# Altium PCB PCB_v3.PcbDoc (part 5 of 7)
Units mil, origin at the board's own origin, x right, y up, seen from the top; angles counter-clockwise.
Board outline 17000 x 5250 mil, 4 copper layers (Top Side, Ground Layer, Power Layer, Bottom Side), stack 33.2 mil thick; 591 components, 525 nets, 2570 pads, 902 vias.
Unrouted connection lines stored in the file: 119.
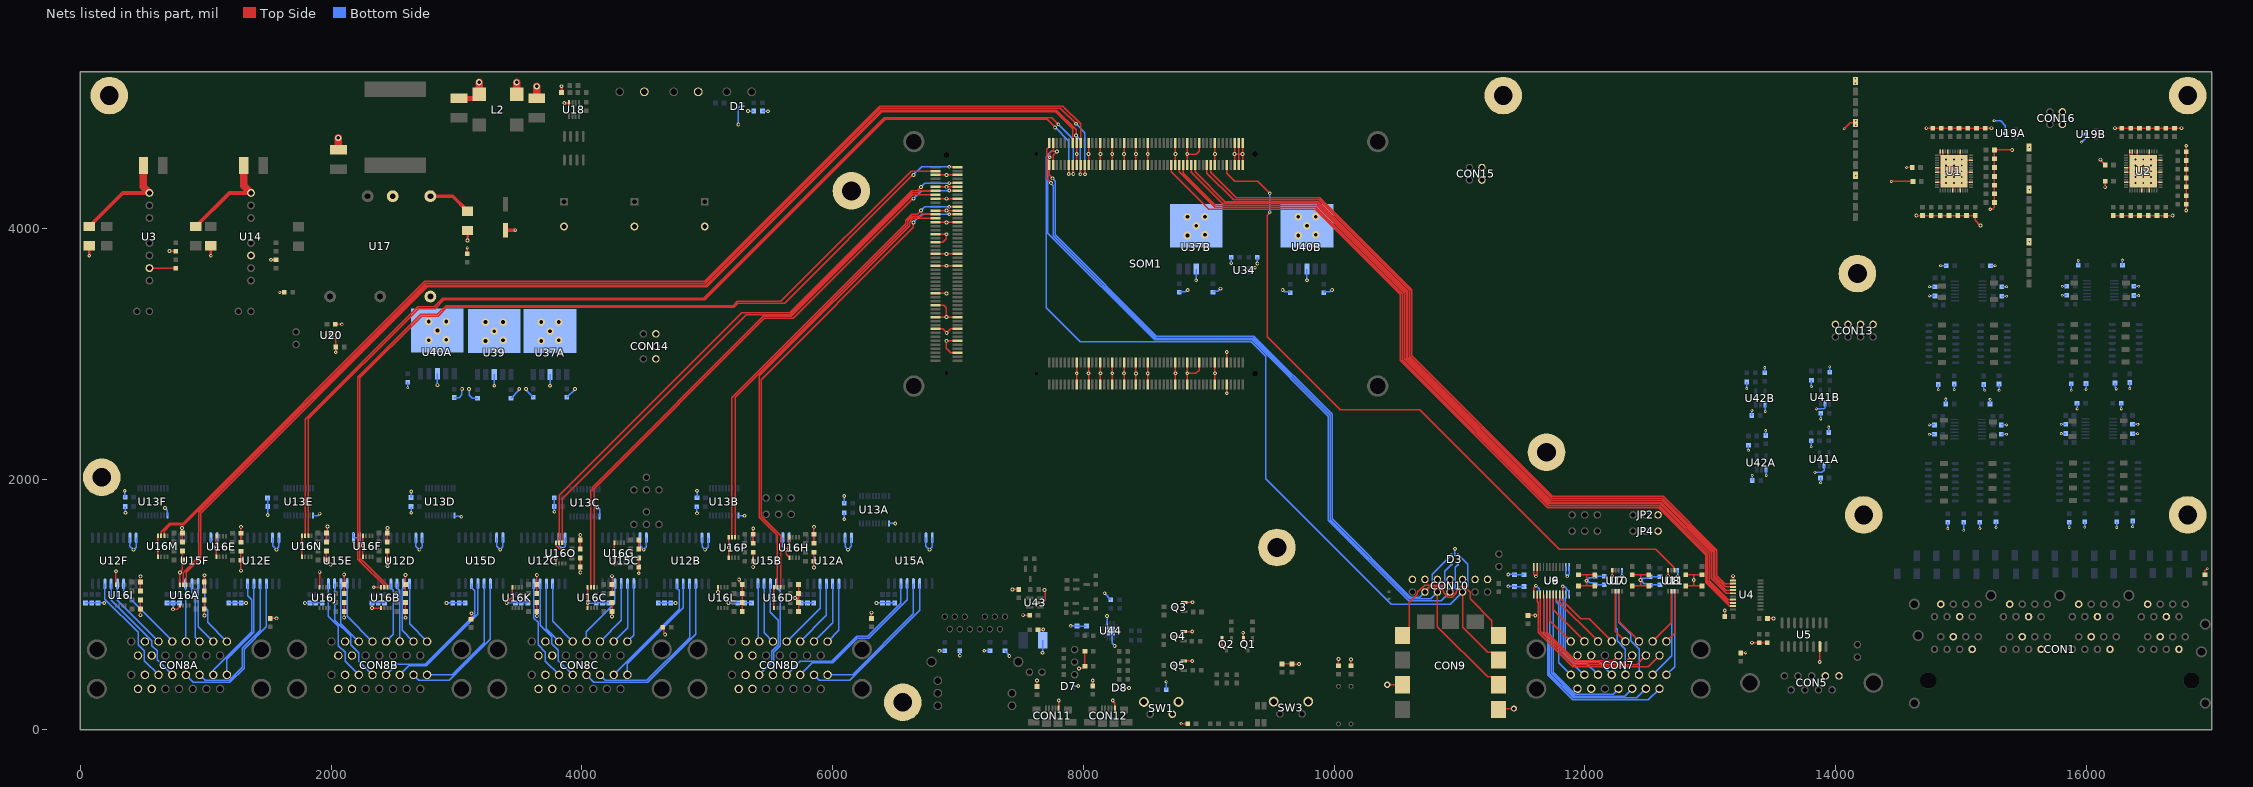
[diagram p7: the nets of this part, all layers, seen from the top]

## Via types
v1: diameter 30, hole 15, Top Side to Bottom Side, 586 vias
v2: diameter 22, hole 12, Top Side to Bottom Side, 248 vias
v3: diameter 25, hole 15, Top Side to Bottom Side, 30 vias
v4: diameter 60, hole 30, Top Side to Bottom Side, 29 vias
v5: diameter 50, hole 28, Top Side to Bottom Side, 7 vias
v6: diameter 40, hole 20, Top Side to Bottom Side, 2 vias

## Nets (pads, with @x,y where several pads share a name; then routed paths per layer and width w, separated by ;. In a path a pad name is that pad's centre, name@x,y a point inside that pad or via, vN(x,y) a via of type N, cw(c..) or ccw(c..) an arc to the next point about the centre after c; other vN are vias at no path point) (continued)
GND: C1.2 C2.2 C3.2 C4.2 C5.2 C6.2 C7.2 C8.2 C9.2 C10.2 C11.2 C12.2 C13.2 C14.2 C15.2 C16.2 C17.2 C18.2 C19.2 C20.2 C21.2 C22.2 C23.2 C24.2 C25.2 C26.2 C27.2 C28.2 C29.2 C30.2 C31.2 C32.2 C33.2 C34.2 C35.2 C36.2 C37.2 C38.2 C39.2 C40.2 C41.2 C42.2 C43.2 C44.2 C45.2 C46.2 C47.1 C48.1 C50.1 C51.1 C52.1 C53.2 C54.2 C55.2 C56.2 C57.1 C58.1 C59.1 C60.1 C61.2 C62.2 C63.2 C64.2 C65.2 C66.2 C67.2 C68.2 C69.2 C70.2 C71.2 C72.2 C73.2 C74.2 C75.2 C76.2 C77.2 C78.2 C79.2 C80.2 C81.2 C82.2 C83.2 C84.2 C85.2 C86.2 C88.1 C89A.1 C89B.1 C89C.1 C89D.1 C89E.1 C89F.1 C89G.1 C89H.1 C89I.1 C89J.1 C89K.1 C89L.1 C89M.1 C89N.1 C89O.1 C89P.1 C90A.2 C90B.2 C90C.2 C90D.2 C90E.2 C90F.2 C90G.2 C90H.2 C90I.2 C90J.2 C90K.2 C90L.2 C90M.2 C90N.2 C90O.2 C90P.2 C91A.1 C91B.1 C91C.1 C91D.1 C91E.1 C91F.1 C92A.2 C92B.2 C92C.2 C92D.2 C92E.2 C92F.2 C93A.1 C93B.1 C93C.1 C93D.1 C93E.1 C93F.1 C93G.1 C93H.1 C93I.1 C93J.1 C93K.1 C93L.1 C93M.1 C93N.1 C93O.1 C93P.1 C94A.1 C94B.1 C94C.1 C94D.1 C94E.1 C94F.1 C94G.1 C94H.1 C94I.1 C94J.1 C94K.1 C94L.1 C94M.1 C94N.1 C94O.1 C94P.1 C95A.2 C95B.2 C95C.2 C95D.2 C95E.2 C95F.2 C96A.2 C96B.2 C96C.2 C96D.2 C96E.2 C96F.2 C97A.2 C97B.2 C97C.2 C97D.2 C97E.2 C97F.2 C98A.2 C98B.2 C98C.2 C98D.2 C98E.2 C98F.2 C99A.2 C99B.2 C99C.2 C99D.2 C99E.2 C99F.2 C100A.2 C100B.2 C100C.2 C100D.2 C100E.2 C100F.2 C105.2 C109.2 C113.2 C115.1 C116.2 C157A.2 C157B.2 C158A.2 C158B.2 C161.2 C162.2 C163A.2 C163B.2 C164A.2 C164B.2 C165A.1 C165B.1 C166A.1 C166B.1 C167A.2 C167B.2 C168A.2 C168B.2 C169.1 C170.1 C171.1 C172.2 C173.2 C174.1 C175.1 C176.1 C179A.2 C179B.2 C179C.2 C179D.2 C180A.2 C180B.2 C180C.2 C180D.2 C181A.1 C181B.1 C181C.1 C181D.1 C182A.2 C182B.2 C182C.2 C182D.2 C183A.2 C183B.2 C183C.2 C183D.2 C184A.2 C184B.2 C184C.2 C184D.2 C185A.1 C185B.1 C185C.1 C185D.1 C186A.2 C186B.2 C186C.2 C186D.2 C187A.1 C187B.1 C187C.1 C187D.1 C188A.1 C188B.1 C188C.1 C188D.1 CON1.4A CON1.4B CON1.4C CON1.4D CON1.4E CON1.4F CON1.4G CON1.4H CON1.6A CON1.6B CON1.6C CON1.6D CON1.6E CON1.6F CON1.6G CON1.6H CON3.2 CON5.1 CON5.2 CON7.14A CON7.14B CON7.15A CON7.15B CON8A.7A CON8A.7B CON8A.14A CON8A.14B CON8A.15A CON8A.15B CON8B.7A CON8B.7B CON8B.14A CON8B.14B CON8B.15A CON8B.15B CON8C.7A CON8C.7B CON8C.14A CON8C.14B CON8C.15A CON8C.15B CON8D.7A CON8D.7B CON8D.14A CON8D.14B CON8D.15A CON8D.15B CON9.1 CON9.10 CON10.1 CON10.3 CON10.5 CON10.7 CON10.9 CON10.11 CON10.13 CON11.5 CON12.5 CON13.2 CON13.4 CON13.6 CON13.8 CON14.2 CON14.4 CON14.6 CON15.2 CON15.4 CON16.2 CON16.4 D1.2 D3.2 D7.2 D8.2 JP2.1 JP4.1 LED3.C MH1.1 MH2.1 MH3.1 MH4.1 MH5.1 MH6.1 MH7.1 MH8.1 MH9.1 MH10.1 MH11.1 Q1.2 Q2.2 Q3.2 Q4.2 Q5.2 R1.1 R3.1 R17.1 R18.1 R21.1 R22.1 R23.2 R24.1 R25.2 R26A.1 R26B.1 R26C.1 R26D.1 R30.1 R39A.1 R39B.1 R40A.2 R40B.2 R46.2 R53.2 SOM1.JX1-15 SOM1.JX1-16 SOM1.JX1-21 SOM1.JX1-22 SOM1.JX1-27 SOM1.JX1-28 SOM1.JX1-33 SOM1.JX1-34 SOM1.JX1-39 SOM1.JX1-40 SOM1.JX1-45 SOM1.JX1-46 SOM1.JX1-51 SOM1.JX1-52 SOM1.JX1-65 SOM1.JX1-66 SOM1.JX1-71 SOM1.JX1-72 SOM1.JX1-77 SOM1.JX1-85 SOM1.JX1-86 SOM1.JX1-95 SOM1.JX1-96 SOM1.JX1-97 SOM1.JX1-98 SOM1.JX1-99 SOM1.JX1-100 SOM1.JX2-15 SOM1.JX2-16 SOM1.JX2-21 SOM1.JX2-22 SOM1.JX2-27 SOM1.JX2-28 SOM1.JX2-33 SOM1.JX2-34 SOM1.JX2-39 SOM1.JX2-40 SOM1.JX2-45 SOM1.JX2-46 SOM1.JX2-51 SOM1.JX2-52 SOM1.JX2-65 SOM1.JX2-66 SOM1.JX2-71 SOM1.JX2-72 SOM1.JX2-77 SOM1.JX2-85 SOM1.JX2-86 SOM1.JX2-91 SOM1.JX2-92 SOM1.JX3-6 SOM1.JX3-12 SOM1.JX3-17 SOM1.JX3-18 SOM1.JX3-23 SOM1.JX3-24 SOM1.JX3-29 SOM1.JX3-35 SOM1.JX3-49 SOM1.JX3-50 SOM1.JX3-55 SOM1.JX3-56 SOM1.JX3-61 SOM1.JX3-65 SOM1.JX3-71 SOM1.JX3-72 SOM1.JX3-77 SOM1.JX3-78 SOM1.JX3-83 SOM1.JX3-84 SOM1.JX3-89 SOM1.JX3-90 SOM1.JX3-95 SOM1.JX3-96 SW1.2 SW1.SH SW3.SH TP38.1 TP39.1 TP40.1 TP41.1 TP42.1 TP43.1 U1.3 U1.7 U1.12 U1.18 U1.23 U1.25 U1.26 U1.32 U1.34 U1.38 U1.46 U1.49 U1.53 U2.3 U2.7 U2.12 U2.18 U2.23 U2.25 U2.26 U2.32 U2.34 U2.38 U2.46 U2.49 U2.53 U3.7 U4.11 U5.7 U6.11 U6.12 U6.13 U6.22 U7.4 U8.4 U9.11 U9.12 U9.13 U9.22 U10.4 U11.4 U12A.7 U12A.8 U12B.7 U12B.8 U12C.7 U12C.8 U12D.7 U12D.8 U12E.7 U12E.8 U12F.7 U12F.8 U13A.11 U13B.11 U13C.11 U13D.11 U13E.11 U13F.11 U14.6 U15A.7 U15A.8 U15B.7 U15B.8 U15C.7 U15C.8 U15D.7 U15D.8 U15E.7 U15E.8 U15F.7 U15F.8 U16A.4 U16A.5 U16B.4 U16B.5 U16C.4 U16C.5 U16D.4 U16D.5 U16E.4 U16E.5 U16F.4 U16F.5 U16G.4 U16G.5 U16H.4 U16H.5 U16I.4 U16J.4 U16K.4 U16L.4 U16M.4 U16M.5 U16N.4 U16N.5 U16O.4 U16O.5 U16P.4 U16P.5 U17.4 U19A.3 U19B.3 U20.5 U20.9 U34.2 U37A.3 U37A.6 U37B.3 U37B.6 U39.3 U39.6 U40A.3 U40A.6 U40B.3 U40B.6 U41A.2 U41B.2 U42A.1 U42B.1 U43.2 U44.3 U44.12 U44.21 | length 36710.1
  Top Side w10: U16I.4@283.23,1157.87 v1(283.23,1265.31) ; v1(478.46,915) C94I.1@478.46,1036.67 ; C89I.1@478.46,1108.33 v1(478.46,1225) ; U3.7@550,3683.81 C115.1@760,3683.81 ; U16M.5@618.23,1382.11 U16M.4@618.23,1547.87 ; v1(710,3820.97) 712.45,3818.53 R30.1@760.71,3818.53 ; v1(738.31,961.69) 740.22,963.61 770.5,963.61 793.23,986.34 U16A.5@793.23,992.11 ; U16A.4@793.23,1157.87 793.23,1257.71 813.46,1277.94 C94M.1@813.46,1426.67 ; v1(810,1610) 811.73,1608.27 811.73,1571.73 C93M.1@813.46,1570 C89M.1@813.46,1498.33 ; v1(988.46,912.85) C94A.1@988.46,1036.67 ; C89A.1@988.46,1108.33 v1(988.46,1233.46) ; U16E.5@1085,1380 U16E.4@1085,1545.77 ; v1(1280.24,1270.24) C94E.1@1280.24,1424.56 ; C89E.1@1280.24,1496.23 v1(1280.24,1619.76) ; R26A.1@1514.76,888.59 1516.18,890 1564,890 v1@1565,889 ; v1(1520,3750.74) C116.2@1560,3750.74 ; v2(1590,3490) C88.1@1626.54,3490 ; U16N.4@1765,1545.77 U16N.4@1767.11,1547.87 U16N.5@1767.11,1382.11 ; U16J.4@1908.23,1137.87 v1(1908.23,1258.23) ; C94N.1@1962.35,1426.67 C90N.2@1962.35,1355 1995.71,1321.64 v1(1995.71,1318.92) ; C89N.1@1962.35,1498.33 C93N.1@1962.35,1570 ; C93N.1@1970,1577.65 v1@1970,1615 ; C47.1@2033.46,3235 v1(2085,3235) ; v1(2036.54,3012.75) C48.1@2036.54,3055 2037.4,3055.87 U20.5@2037.4,3120.47 ; v1(2103.46,895.69) C94J.1@2103.46,1016.67 ; C89J.1@2103.46,1088.33 v1(2103.46,1240) ; U16F.5@2253.23,1382.11 U16F.4@2253.23,1547.87 ; v1(2325,972.11) U16B.5@2397.46,972.11 ; v1(2340,1137.87) U16B.4@2397.46,1137.87 ; C94F.1@2448.46,1426.67 C90F.2@2448.46,1355 2448.65,1354.82 v1(2448.65,1305) ; C89F.1@2448.46,1498.33 v1(2448.46,1611.54) ; v1(2592.7,895) C94B.1@2592.7,1016.67 ; C89B.1@2592.7,1088.33 v1(2592.7,1236.54) ; R3.1@3085,3798.59 v2(3085,3845) ; R26B.1@3115.03,883.46 3118.09,886.52 3118.09,928.09 v1(3120,930) ; v1(3400,1012.83) 3445.3,1058.13 U16K.4@3445.3,1137.87 ; v1(3640.53,907.88) C94K.1@3640.53,1016.67 ; C89K.1@3640.53,1088.33 v1(3640.53,1236.54) ; U16O.5@3792.24,1327.11 v1(3792.24,1367.76) ; U16O.4@3792.24,1492.87 3793.98,1491.14 3793.98,1469.75 3819.75,1443.98 3841.93,1443.98 v1(3843.84,1442.06) ; v1(3987.48,1255) C94O.1@3987.48,1371.67 ; C89O.1@3987.48,1443.33 v1(3987.48,1555) ; U16C.5@4045.38,972.11 4046.26,972.99 4046.26,1009.11 v1(4047.15,1010) 4047.15,1012.71 4045.38,1014.48 4045.38,1040.7 4038.5,1047.57 4038.5,1072.43 4045.38,1079.3 U16C.4@4045.38,1137.87 ; C93C.1@4240.31,1160.31 v1@4240.31,1226.23 ; v1(4240.61,903.89) C94C.1@4240.61,1016.67 ; C89C.1@4240.61,1088.33 C93C.1@4240.61,1160 ; U16G.5@4258.76,1327.11 U16G.4@4258.76,1492.87 ; v1(4454,1250) C94G.1@4454,1371.67 ; C93G.1@4454,1515 C89G.1@4454,1443.33 4457.82,1439.51 4491.39,1439.51 v1(4493.31,1437.6) ; R26C.1@4645,820 4653.7,811.3 4653.7,774.92 4664.38,764.24 v1(4664.38,761.54) ; v1(5084.91,1099.91) U16L.4@5084.91,1137.87 ; U16P.5@5171.41,1371.67 U16P.4@5171.41,1537.43 ; v1(5254.59,1200) 5256.5,1198.09 5256.5,1183.64 C93L.1@5280.14,1160 C90L.2@5280.14,945 ; v1(5366,1300) 5366.32,1300.32 5366.32,1344.24 C90P.2@5366.65,1344.56 C94P.1@5366.65,1416.23 ; C89P.1@5366.65,1487.89 v1(5366.65,1605.58) ; v1(5530,1052.4) 5531.61,1050.79 5531.61,973.72 U16D.5@5533.23,972.11 ; v1@5533.23,1050 5531.61,1051.61 5531.61,1136.26 U16D.4@5533.23,1137.87 ; U16H.5@5655.76,1371.67 5655.76,1377.43 5630.22,1402.98 5630.22,1435.69 v1(5628.31,1437.6) 5628.31,1440.3 5655.76,1467.76 U16H.4@5655.76,1537.43 ; v1(5700,1052.4) 5700.1,1052.5 5728.46,1052.5 ; C90D.2@5728.46,945 5728.46,1052.5 ; C93D.1@5728.46,1160 5728.46,1052.5 ; v1(5851,1296) C94H.1@5851,1416.23 ; C89H.1@5851,1487.89 C93H.1@5851,1559.56 v1(5851,1620) ; v1(6309.69,935) 6309.69,889.59 R26D.1@6310,889.28 ; SOM1.JX3-17@6821.69,3198.2 6879.81,3198.2 6910,3168.02 v1(6910,3166.7) 6941.5,3198.2 SOM1.JX3-18@6994.92,3198.2 ; SOM1.JX3-23@6821.69,3292.69 v1(6908.31,3292.69) ; SOM1.JX3-29@6821.69,3387.18 6888.02,3387.18 6908.31,3366.89 v1(6908.31,3292.69) ; SOM1.JX3-35@6821.69,3481.67 v1(6908.31,3481.66) ; SOM1.JX3-49@6821.69,3702.14 v1(6908.31,3702.14) SOM1.JX3-50@6994.92,3702.14 ; SOM1.JX3-55@6821.69,3796.63 v1(6908.31,3796.63) SOM1.JX3-56@6994.92,3796.62 ; SOM1.JX3-61@6821.69,3891.11 6880.55,3891.11 6908.31,3918.87 v1(6908.31,3954.11) SOM1.JX3-65@6821.69,3954.11 ; SOM1.JX3-71@6821.69,4048.59 v1(6908.31,4048.59) SOM1.JX3-72@6994.92,4048.59 ; SOM1.JX3-77@6821.69,4143.08 v1(6908.31,4143.08) SOM1.JX3-78@6994.92,4143.08 ; SOM1.JX3-83@6821.69,4237.57 v1(6908.31,4237.57) SOM1.JX3-84@6994.92,4237.57 ; SOM1.JX3-89@6821.69,4332.06 v1(6908.31,4332.06) SOM1.JX3-90@6994.92,4332.06 ; SOM1.JX3-95@6821.69,4426.55 v1(6908.31,4426.54) SOM1.JX3-96@6994.92,4426.54 ; SOM1.JX3-6@6994.92,3009.22 6941.86,3009.22 6908.31,3042.78 v1(6908.31,3103.71) SOM1.JX3-12@6994.92,3103.71 ; SOM1.JX3-24@6994.92,3292.69 v1(6908.31,3292.69) ; v1(7435,1120) 7483.46,1120 R24.1@7483.7,1120.24 ; v1(7520,915) C169.1@7571.54,915 ; R46.2@7630,346.5 v1(7630,395) ; C171.1@7638.46,800 v1(7680,800) ; U43.2@7657.32,1015 7675.04,1015 7695.87,1035.83 7695.87,1103.69 7689.97,1109.59 v1(7689.97,1115) ; CON11.5@7803.54,167.4 7804.39,168.25 v1(7804.39,234.15) ; SOM1.JX2-16@7947.13,2756.77 v1(7947.13,2845) SOM1.JX2-15@7947.13,2930 ; SOM1.JX1-16@7947.13,4506.77 v1(7947.13,4593.39) SOM1.JX1-15@7947.13,4680 ; v1(7965,490) 7967.87,492.87 7999.09,492.87 C173.2@8012.8,506.57 C172.2@8012.8,626.57 ; SOM1.JX2-22@8041.61,2756.77 v1(8041.61,2845) SOM1.JX2-21@8041.61,2930 ; SOM1.JX1-22@8041.61,4506.77 v1(8041.61,4593.39) SOM1.JX1-21@8041.61,4680 ; v1(8075,395) 8075,351.3 R53.2@8076.26,350.04 ; SOM1.JX2-28@8136.1,2756.77 v1(8136.1,2845) SOM1.JX2-27@8136.1,2930 ; SOM1.JX1-28@8136.1,4506.77 v1(8136.1,4595) SOM1.JX1-27@8136.1,4680 ; SOM1.JX2-34@8230.59,2756.77 v1(8230.59,2845) SOM1.JX2-33@8230.59,2930 ; SOM1.JX1-34@8230.59,4506.77 v1(8230.59,4593.39) SOM1.JX1-33@8230.59,4680 ; v1(8235,235) 8235,229.59 8250.91,213.68 CON12.5@8250.91,167.4 ; SOM1.JX2-40@8325.08,2756.77 v1(8325.08,2845) SOM1.JX2-39@8325.08,2930 ; SOM1.JX1-40@8325.08,4506.77 v1(8325.08,4593.39) SOM1.JX1-39@8325.08,4680 ; SOM1.JX2-46@8419.57,2756.77 v1(8419.57,2843.39) SOM1.JX2-45@8419.57,2930 ; SOM1.JX1-46@8419.57,4506.77 v1(8419.57,4593.39) SOM1.JX1-45@8419.57,4680 ; SOM1.JX2-52@8514.05,2756.77 v1(8514.06,2843.39) SOM1.JX2-51@8514.06,2930 ; SOM1.JX1-52@8514.05,4506.77 v1(8514.06,4593.39) SOM1.JX1-51@8514.06,4680 ; SOM1.JX2-66@8734.53,2756.77 v1(8734.53,2845) SOM1.JX2-65@8734.53,2930 ; SOM1.JX1-66@8734.53,4506.77 v1(8734.53,4593.38) SOM1.JX1-65@8734.53,4680 ; v2(8780,50) LED3.C@8832.69,50 ; Q5.2@8800.6,549.8 v1(8869.26,549.8) ; Q4.2@8800.6,783.22 8801.39,784.01 8868.47,784.01 v1(8869.26,784.8) ; Q3.2@8804.96,1017.2 8806.26,1018.5 v1(8870.98,1018.5) v1@8872.28,1019.8 ; SOM1.JX2-72@8829.01,2756.77 v1(8829.02,2845) ; SOM1.JX2-71@8829.02,2930 v1(8829.02,2845) ; SOM1.JX1-72@8829.01,4506.77 v1(8829.02,4593.39) ; SOM1.JX1-71@8829.02,4680 v1(8829.02,4593.39) ; SOM1.JX2-77@8923.5,2930 8923.5,2869.82 8898.69,2845 v1(8829.02,2845) ; SOM1.JX1-77@8923.5,4680 8923.5,4615.99 8900.9,4593.39 v1(8829.02,4593.39) ; SOM1.JX2-86@9049.49,2756.77 v1(9049.49,2845) SOM1.JX2-85@9049.49,2930 ; SOM1.JX1-86@9049.49,4506.77 v1(9049.49,4595) SOM1.JX1-85@9049.49,4680 ; Q2.2@9102.35,742.77 9106.34,738.78 Q2.2@9106.34,725 9105,723.66 v1(9105,665) ; v1(9143.97,2685) SOM1.JX2-92@9143.97,2756.77 ; SOM1.JX2-91@9143.98,2930 v1(9143.97,3015) ; SOM1.JX1-96@9206.97,4506.77 v1(9206.97,4593.38) ; SOM1.JX1-95@9206.97,4680 v1(9206.97,4593.38) ; SOM1.JX1-98@9238.46,4506.77 9238.46,4593.39 ; SOM1.JX1-97@9238.46,4680 9238.46,4593.39 ; SOM1.JX1-100@9269.96,4506.77 v1(9269.96,4593.39) ; SOM1.JX1-99@9269.96,4680 v1(9269.96,4593.39) ; v1(9275,775) 9275.67,774.33 9275.67,725.67 Q1.2@9276.34,725 ; R18.1@9585,526.06 C52.1@9665,526.06 9666.06,525 v1(9720,525) ; R21.1@10030,511.93 10035,516.93 v1(10035,565) ; R22.1@10135,511.93 v1(10135,560.87) ; v5(10425,360) CON9.10@10545,360 ; CON9.1@11312.72,163.15 11319.57,170 v5(11435,170) ; R25.2@11547.37,912.85 11547.51,912.98 v1(11605,912.98) ; U6.13@11594.25,1079.76 11594.25,1128.84 11610,1144.59 v1(11610,1150) ; U6.12@11594.25,1300.24 11594.25,1240.75 v1(11610,1225) 11614.25,1229.25 11614.25,1233.81 11619.84,1239.4 U6.11@11619.84,1300.24 ; U6.22@11824.57,1079.76 11824.78,1079.98 11824.78,1144.78 v1(11825,1145) ; C61.2@11950,1148.46 12015,1148.46 ; C64.2@11950,1236.54 12015,1236.54 ; C63.2@12080,1148.46 12015,1148.46 ; C62.2@12080,1236.54 12015,1236.54 ; v1(12219.21,1226.54) U7.4@12219.21,1272.88 ; C67.2@12380,1148.46 12445,1148.46 ; C68.2@12380,1236.54 12445,1236.54 ; C65.2@12510,1148.46 12445,1148.46 ; C66.2@12510,1236.54 12445,1236.54 ; v1(12665,1226.54) U8.4@12665,1272.88 ; C70.2@12805,1236.54 12870,1236.54 ; C69.2@12805.59,1148.46 12870,1148.46 ; C71.2@12935,1148.46 12870,1148.46 ; C72.2@12935,1236.54 12870,1236.54 ; v1(13116.77,953) 13117.2,952.57 C56.2@13117.2,903.89 ; U4.11@13183.4,1192.36 v1(13183.4,1226.54) ; R23.2@13243.97,613.46 v2(13282.94,613.46) ; v1(13335,695.72) C55.2@13391.54,695.72 C53.2@13456.54,695.72 ; C54.2@13458.46,888.59 v1(13505,888.59) ; v1(13875,540.68) U5.7@13875,664.69 ; v2(14070,4795) 14117.06,4842.06 TP42.1@14160,4842.06 ; v2(14160,4422.12) TP39.1@14160,4424.25 ; v2(14444.69,4375) C10.2@14618.52,4375 ; v2(14567.1,4486.54) C5.2@14611.54,4486.54 ; v1(14645,4103.07) C14.2@14695,4103.07 C13.2@14765,4103.07 C19.2@14835,4103.07 C16.2@14905,4103.07 C15.2@14975,4103.07 C18.2@15045,4103.07 C17.2@15115,4103.07 15115,4064.75 v1(15156.2,4023.55) ; v1(14725.16,4800) v1(15245,4800) ; U1.38@14809,4367.95 14856.42,4367.95 U1.53@14935.16,4446.69 ; U1.34@14809,4446.69 U1.53@14935.16,4446.69 ; U1.32@14809,4486.06 U1.53@14915.47,4486.06 ; U1.26@14836.73,4612.04 14837.73,4611.04 14837.73,4584.28 14856.42,4565.59 U1.53@14856.42,4565 ; U1.25@14856.42,4612.04 U1.53@14856.42,4565 ; U1.23@14895.79,4612.04 U1.53@14895.79,4505.75 ; U1.46@14935.16,4301.04 U1.53@14935.16,4446.69 ; U1.49@14994.21,4301.04 U1.53@14994.21,4407.32 ; U1.18@14994.21,4612.04 U1.53@14994.21,4505.75 ; U1.3@15081,4367.95 15033.58,4367.95 U1.53@14994.21,4407.32 ; U1.7@15081,4446.69 U1.53@14954.84,4446.69 ; U1.12@15081,4545.12 15033.58,4545.12 U1.53@14994.21,4505.75 ; v2@15186.94,2710 v2(15190,2710) ; v1(15235,4153.19) 15253.19,4153.19 15268.46,4168.46 C6.2@15268.46,4206.54 C1.2@15268.46,4275.79 C20.2@15268.46,4345 C23.2@15268.46,4415 C21.2@15268.46,4486.54 C7.2@15268.46,4555 C2.2@15268.46,4626.54 v1(15409.37,4626.54) ; v2(15545,4310) TP41.1@15545,4312.25 ; v1(16115,4549.04) 16118.83,4545.21 16118.83,4539.24 C28.2@16151.54,4506.54 ; v1(16151.54,4329.27) C35.2@16151.54,4375.8 ; C39.2@16215,4103.07 C40.2@16285,4103.07 C29.2@16355,4103.07 C44.2@16425,4103.07 C43.2@16495,4103.07 C46.2@16565,4103.07 C45.2@16635,4103.07 v1(16690,4103.07) ; v1(16230,4800) v1(16760,4800) ; U2.38@16319,4367.95 16366.42,4367.95 U2.53@16445.16,4446.69 ; U2.34@16319,4446.69 U2.53@16445.16,4446.69 ; U2.32@16319,4486.06 U2.53@16425.47,4486.06 ; U2.26@16346.73,4612.04 16347.73,4611.04 16347.73,4584.28 16366.42,4565.59 U2.53@16366.42,4565 ; U2.25@16366.42,4612.04 U2.53@16366.42,4565 ; U2.23@16405.79,4612.04 U2.53@16405.79,4505.75 ; U2.46@16445.16,4301.04 U2.53@16445.16,4446.69 ; U2.49@16504.21,4301.04 U2.53@16504.21,4407.32 ; U2.18@16504.21,4612.04 U2.53@16504.21,4505.75 ; U2.3@16591,4367.95 16543.58,4367.95 U2.53@16504.21,4407.32 ; U2.7@16591,4446.69 U2.53@16464.84,4446.69 ; U2.12@16591,4545.12 16543.58,4545.12 U2.53@16504.21,4505.75 ; v1(16798.46,4143.08) v1(16798.46,4660) ; R1.1@16947.5,1237.13 16947.5,1267.5 v2(16965,1285) ; v1(9206.97,4593.38) 9238.46,4593.39 ; 9238.46,4593.39 v1(9269.96,4593.39) ; 12015,1148.46 12015,1236.54 ; 12445,1148.46 12445,1236.54 ; 12870,1148.46 12870,1236.54 ; U1.53@14856.42,4565 14856.42,4545.12 U1.53@14895.79,4505.75 ; U1.53@14895.79,4505.75 U1.53@14915.47,4486.06 ; U1.53@14915.47,4486.06 v3(14945,4456.54) ; U1.53@14935.16,4446.69 v3(14945,4456.54) ; v3(14945,4456.54) U1.53@14954.84,4446.69 ; v3(14945,4456.54) U1.53@14994.21,4505.75 ; U1.53@14954.84,4446.69 U1.53@14994.21,4407.32 ; U2.53@16366.42,4565 16366.42,4545.12 U2.53@16405.79,4505.75 ; U2.53@16405.79,4505.75 U2.53@16425.47,4486.06 ; U2.53@16425.47,4486.06 v3(16455,4456.54) ; U2.53@16445.16,4446.69 v3(16455,4456.54) ; v3(16455,4456.54) U2.53@16464.84,4446.69 ; v3(16455,4456.54) U2.53@16504.21,4505.75 ; U2.53@16464.84,4446.69 U2.53@16504.21,4407.32
  Top Side w20: v1(70,3782.14) C105.2@70,3861.05 ; v1(1040,3782.14) C109.2@1040,3861.05 ; v1(3088.08,3904.89) C113.2@3088.08,3983.8
  Bottom Side w10: C95F.2@40,1012.83 v1(190,1012.83) ; v1(353.31,1907.6) 353.31,1855.46 C91F.1@356.17,1852.6 ; v1(358.31,1732.6) C92F.2@358.31,1780.46 ; U12F.7@394.63,1532.09 394.63,1466.28 v1(423.31,1437.6) 444.63,1458.92 U12F.8@444.63,1532.09 ; v1(675,1770) 693.03,1751.97 U13F.11@693.03,1709.09 ; C96F.2@690,1012.83 C98F.2@738.31,1012.83 ; v1(738.31,961.69) C98F.2@738.31,1012.83 ; C100F.2@790,1012.83 C98F.2@738.31,1012.83 ; U15F.7@1039.63,1533.62 1039.63,1502.13 1060.35,1481.4 1060.35,1471.71 v1(1085,1447.06) 1085,1452.47 1089.63,1457.11 U15F.8@1089.63,1533.62 ; C95E.2@1184.02,1012.83 v1(1320,1012.83) ; v1(1494.24,1714.24) C91E.1@1494.24,1852.6 ; U12E.7@1532.7,1532.09 1532.7,1468.2 v1(1563.31,1437.6) 1563.31,1441.24 1582.7,1460.63 U12E.8@1582.7,1532.09 ; v1(1790,1012.83) C100E.2@1927.7,1012.83 ; U13E.11@1856.26,1702.6 1862.01,1708.35 1891.57,1708.35 v1(1908.23,1725) ; U15E.7@2177.7,1567.7 U15E.7@2177.7,1533.62 U15E.8@2227.7,1533.62 2227.7,1501.15 2251.32,1477.53 2251.32,1471.91 v1(2253.23,1470) ; v1(2325,972.11) 2325.19,972.3 2325.19,1012.65 C95D.2@2325.38,1012.83 C99D.2@2425.38,1012.83 ; v2(2610,2730) C163A.2@2610,2773.75 ; C91D.1@2637.31,1852.6 2638.31,1853.6 v1(2638.31,1902.6) ; v1(2638.31,1732.6) C92D.2@2638.31,1781.6 ; U12D.7@2675.77,1532.09 2675.38,1531.69 2675.38,1465.53 v1(2703.31,1437.6) 2725.38,1459.67 2725.38,1531.69 U12D.8@2725.77,1532.09 ; v1(2847.41,2750) U40A.3@2847.41,2840 ; v1(2920,1012.83) C100D.2@3070,1012.83 ; C164A.2@2981.41,2651.54 3021.54,2651.54 3043.09,2673.09 3043.09,2718.08 v1(3045,2719.99) ; U13D.11@2986.22,1702.41 3036.39,1702.41 v1(3038.31,1700.5) ; v1(3100,2720) 3101.91,2718.09 3101.91,2670.03 3125.41,2646.54 C162.2@3167,2646.54 ; v1(3301,2745.65) U39.3@3301,2835.65 ; U15D.7@3320.77,1533.62 3320.38,1533.23 3320.38,1465.53 v1(3348.31,1437.6) 3370.38,1459.67 3370.38,1533.23 U15D.8@3370.77,1533.62 ; v1(3400,1012.83) C99C.2@3566.91,1012.83 ; C161.2@3435,2646.54 3498.09,2709.62 3498.09,2718.09 v1(3500,2720) ; v1(3555,2720) 3556.91,2718.09 3556.91,2708.12 C158A.2@3611.97,2653.07 ; v1(3746,2745.65) U37A.3@3746,2835.65 ; v1(3780.38,1740) C91C.1@3780.38,1852.6 ; U12C.7@3816.91,1532.09 3817.61,1531.39 3817.61,1469.01 3843.84,1442.77 v1(3843.84,1442.06) 3866.22,1464.44 3866.22,1531.39 U12C.8@3866.91,1532.09 ; C157A.2@3880,2653.07 3945,2718.07 v1(3945,2720) ; v1(4047.15,1010) 4048.57,1011.42 4114.25,1011.42 C96C.2@4115.67,1012.83 C100C.2@4213.84,1012.83 ; v1(4122.88,1775) 4125,1775 4141.26,1758.74 U13C.11@4141.26,1701.5 ; U15C.7@4463.84,1533.62 4463.84,1467.06 v1(4493.31,1437.6) 4493.31,1438.95 4513.84,1459.49 U15C.8@4513.84,1533.62 ; C95B.2@4610,1012.83 v1(4747.6,1012.83) ; v1@4916.38,1725.95 C92B.2@4916.38,1780.53 ; v1(4918.31,1907.6) 4918.31,1852.74 C91B.1@4918.45,1852.6 ; U12B.7@4956.91,1532.09 4958.45,1530.55 4958.45,1462.46 v1(4983.31,1437.6) 5008.45,1462.74 5008.45,1530.55 U12B.8@5006.91,1532.09 ; v1(5170,1012.83) C100B.2@5353.26,1012.83 ; v1(5248.18,4830) 5248.18,4960 5263.18,4975 D1.2@5285.58,4975 ; U13B.11@5251.48,1708.72 5297.69,1708.72 v1(5298.06,1708.35) ; v1(5325,4936.54) C51.1@5370,4936.54 ; R17.1@5440,4936.54 5483.46,4936.54 v1(5485,4935) ; U15B.7@5601.91,1533.62 5603.45,1532.09 5603.45,1462.46 v1(5628.31,1437.6) 5653.45,1462.74 5653.45,1532.09 U15B.8@5651.91,1533.62 ; v1(5700,1052.4) 5701.91,1050.49 5710.65,1050.49 C95A.2@5748.31,1012.83 C99A.2@5849.98,1012.83 ; C91A.1@6091.52,1804.96 C91A.1@6093.31,1806.75 v1(6093.31,1864.96) ; v1(6093.31,1679.96) C92A.2@6093.31,1733.17 ; U12A.7@6099.98,1532.09 6099.98,1460.92 v1(6123.31,1437.6) 6149.98,1464.28 U12A.8@6149.98,1532.09 ; v1@6348.83,1012.83 C100A.2@6494.98,1012.83 ; U13A.11@6448.56,1646.5 v1(6500,1646.5) ; U15A.7@6744.98,1533.62 6744.98,1465.92 v1(6773.31,1437.6) 6794.98,1459.28 U15A.8@6794.98,1533.62 ; v1(6853,630.59) 6893.62,630.59 C57.1@6895,631.97 ; C58.1@7015,631.97 7015.08,631.89 v1(7015.08,594) ; v1(7210,631.63) 7254.66,631.63 C59.1@7255,631.97 ; C60.1@7375,631.97 7406.17,600.8 7406.17,592.86 v1(7410,589.03) ; v1(7675,615) C170.1@7675,715 ; v1(7900,830) 7948.46,830 C175.1@7950,828.46 C174.1@8025,828.46 ; D7.2@7922.4,350 v1(7960,350) ; v1(8170,1090) 8170,1088.46 C176.1@8220,1038.46 ; U44.12@8189.41,850.83 v1(8189.41,907.88) ; U44.21@8228.78,799.84 U44.3@8228.78,728.98 8229.15,728.61 8229.15,691.58 8250,670.73 v1(8250,670) ; D8.2@8327.4,335 v1(8365,335) ; C50.1@8660.52,320 v2(8660.52,384.48) ; C158B.2@8766.02,3491.54 8768.9,3494.41 8814.72,3494.41 8830.32,3510 v1(8833.02,3510) ; v1(8900.02,3586.54) U37B.3@8900.02,3676.54 ; C157B.2@9034.02,3491.54 9042.72,3500.24 9072.53,3500.24 9092.29,3520 v1(9095,3520) ; C86.2@9179.65,3771.54 9180,3771.18 v1(9180,3723.07) ; U34.2@9320.51,3666.54 9323.39,3669.41 9345.57,3669.41 9362.7,3686.54 v1(9368.11,3686.54) ; C85.2@9386.58,3771.54 9388.11,3770 v1(9388.11,3721.54) ; v1(9590,3510) 9592.71,3510 9605.93,3496.77 9641.18,3496.77 C163B.2@9649.88,3488.07 ; v1(9783.88,3586.54) U40B.3@9783.88,3676.54 ; C164B.2@9917.88,3488.07 9924.1,3494.29 9966.58,3494.29 9982.29,3510 v1(9985,3510) ; D3.2@10964.18,1397.4 10964.59,1397.81 10964.59,1444.59 v1(10965,1445) ; v1(11390,1145) 11438.46,1145 C75.2@11440,1143.46 C73.2@11515,1143.46 ; v1(11390,1240) 11436.54,1240 C76.2@11440,1236.54 C74.2@11515,1236.54 ; v1(11610,1150) 11635.75,1124.25 11635.75,1115.04 11645.43,1105.35 U9.22@11645.43,1079.76 ; v1(11825,1145) 11828.83,1141.17 11840.29,1141.17 11866.06,1115.4 11866.06,1115.04 11875.75,1105.35 U9.13@11875.75,1079.76 ; U9.11@11850.16,1300.24 11850.16,1239.4 11855.75,1233.81 11855.75,1229.25 v1(11860,1225) 11875.75,1240.75 U9.12@11875.75,1300.24 ; C77.2@12155,1158.46 C79.2@12085,1158.46 12071.3,1172.17 12038.25,1172.17 12020.41,1190 v1(12015,1190) 12037.83,1212.83 12071.3,1212.83 C80.2@12085,1226.54 C78.2@12155,1226.54 ; v1(12296.77,1226.54) U10.4@12296.77,1272.87 ; C83.2@12600,1158.46 12525,1158.46 C81.2@12520,1153.46 12506.3,1167.17 12472.83,1167.17 v1(12445,1195) 12450.41,1195 12463.25,1207.83 12506.3,1207.83 C84.2@12520,1221.54 C82.2@12600,1221.54 ; v1(12741.77,1226.54) U11.4@12741.77,1272.87 ; v2(13293.27,2722.89) R40B.2@13293.27,2775 ; v2(13306.2,2230) R40A.2@13306.2,2270 ; C167B.2@13333.27,2507.65 v2(13333.27,2548.48) ; C167A.2@13336.2,1990 v2(13336.2,2031.12) ; C168B.2@13436.73,2848.46 v2(13436.73,2890) ; v2(13439.13,2540) U42B.1@13439.13,2595.41 ; C168A.2@13444.67,2348.46 v2(13444.67,2388.13) ; v2(13447.07,2030) U42A.1@13447.07,2078.43 ; v2(13806.2,2258.79) R39A.1@13806.2,2305.67 ; v2(13808.27,2740) R39B.1@13808.27,2789.06 ; v2(13836.73,2054.06) 13891.98,2054.06 13909.67,2071.74 U41A.2@13909.67,2107.56 ; v2(13848.15,2560) 13906,2560 13916.73,2570.73 U41B.2@13916.73,2603.43 ; v2(13881.2,1971.2) C165A.1@13881.2,2010 ; v2(13883.27,2480.72) C165B.1@13883.27,2525 ; C166A.1@13947.07,2372.6 v2(13947.07,2415.3) ; C166B.1@13954.13,2854.06 v2(13954.13,2896.06) ; v2(14750,2359.31) C185A.1@14790,2359.31 ; v2(14750,2432.62) C186A.2@14790,2432.62 ; v2(14750,3461.69) C185B.1@14794,3461.69 ; v2(14750,3535) C186B.2@14794,3535 ; v2(14820,2713.46) C183B.2@14820,2755.59 ; v2(14838,3702.74) C188B.1@14884.54,3702.74 ; C188A.1@14880.54,2600.36 v2(14880.54,2639.46) ; v2(14895,1605.58) C183A.2@14895,1656.55 ; v2(14946.95,2713.37) C184B.2@14946.95,2758.94 ; v2(15023,1592.56) C184A.2@15023,1656.54 ; v2(15152.2,1605.78) C180A.2@15152.2,1656.55 ; C180B.2@15184.03,2755.59 15184.03,2715.97 v2(15190,2710) ; C187A.1@15233.46,2600.36 v2(15233.46,2638.46) ; C187B.1@15237.46,3702.74 v2(15273.69,3702.74) ; v2(15265,4859) 15317.46,4859 15355.24,4821.23 U19A.3@15355.24,4757.56 ; v2(15280.71,1615.35) C179A.2@15280.71,1661.19 ; v2(15305,2710.09) C179B.2@15305,2758.94 ; C182A.2@15323.46,2357.62 v2(15364.16,2357.62) ; C181A.1@15323.46,2432.62 v2(15364.16,2432.62) ; C182B.2@15327.46,3460 v2(15366.77,3460) ; C181B.1@15327.46,3535 v2(15365,3535) ; v2(15801.05,2363.95) C185C.1@15836.54,2363.95 ; v2(15801.05,2437.26) C186C.2@15836.54,2437.26 ; v2(15810,3466.48) C185D.1@15846.1,3466.48 ; v2(15810.08,3539.79) C186D.2@15846.1,3539.79 ; v2(15865,1614.91) C183C.2@15865,1656.54 ; v2(15880.54,2710.09) C183D.2@15880.54,2761.54 ; v2(15927.07,2560.37) C188C.1@15927.07,2605 ; C188D.1@15936.64,3707.53 v2(15936.64,3745.27) ; v2(15963.57,4688.83) 15996.24,4721.49 U19B.3@15996.24,4753.56 ; v2(15989.49,1616.02) C184C.2@15989.49,1661.19 ; v2(15999.06,2716.28) C184D.2@15999.06,2763.73 ; C180D.2@16230,2766.54 16230,2730 v2(16240,2720) ; v2(16243.03,1614.91) C180C.2@16243.03,1661.19 ; v2(16280,2560.37) C187C.1@16280,2605 ; C187D.1@16289.57,3707.53 v2(16289.57,3747.86) ; v2(16347.98,2722.48) C179D.2@16347.98,2771.54 ; C182C.2@16370,2362.26 v2(16410,2362.26) ; C181C.1@16370,2437.26 v2(16413.31,2437.26) ; v2(16370.46,1619.81) C179C.2@16370.46,1666.54 ; C182D.2@16379.57,3464.79 v2(16419.79,3464.79) ; C181D.1@16379.57,3539.79 v2(16419.79,3539.79)